# Altium PCB CNEPuckRevG.PcbDoc (part 1 of 3)
Units mil, origin at the board's own origin, x right, y up, seen from the top; angles counter-clockwise.
Board outline 3831.74 x 3902.47 mil, 4 copper layers (Top Layer, Internal Plane 1, Internal Plane 2, Bottom Layer); 165 components, 118 nets, 543 pads, 169 vias.
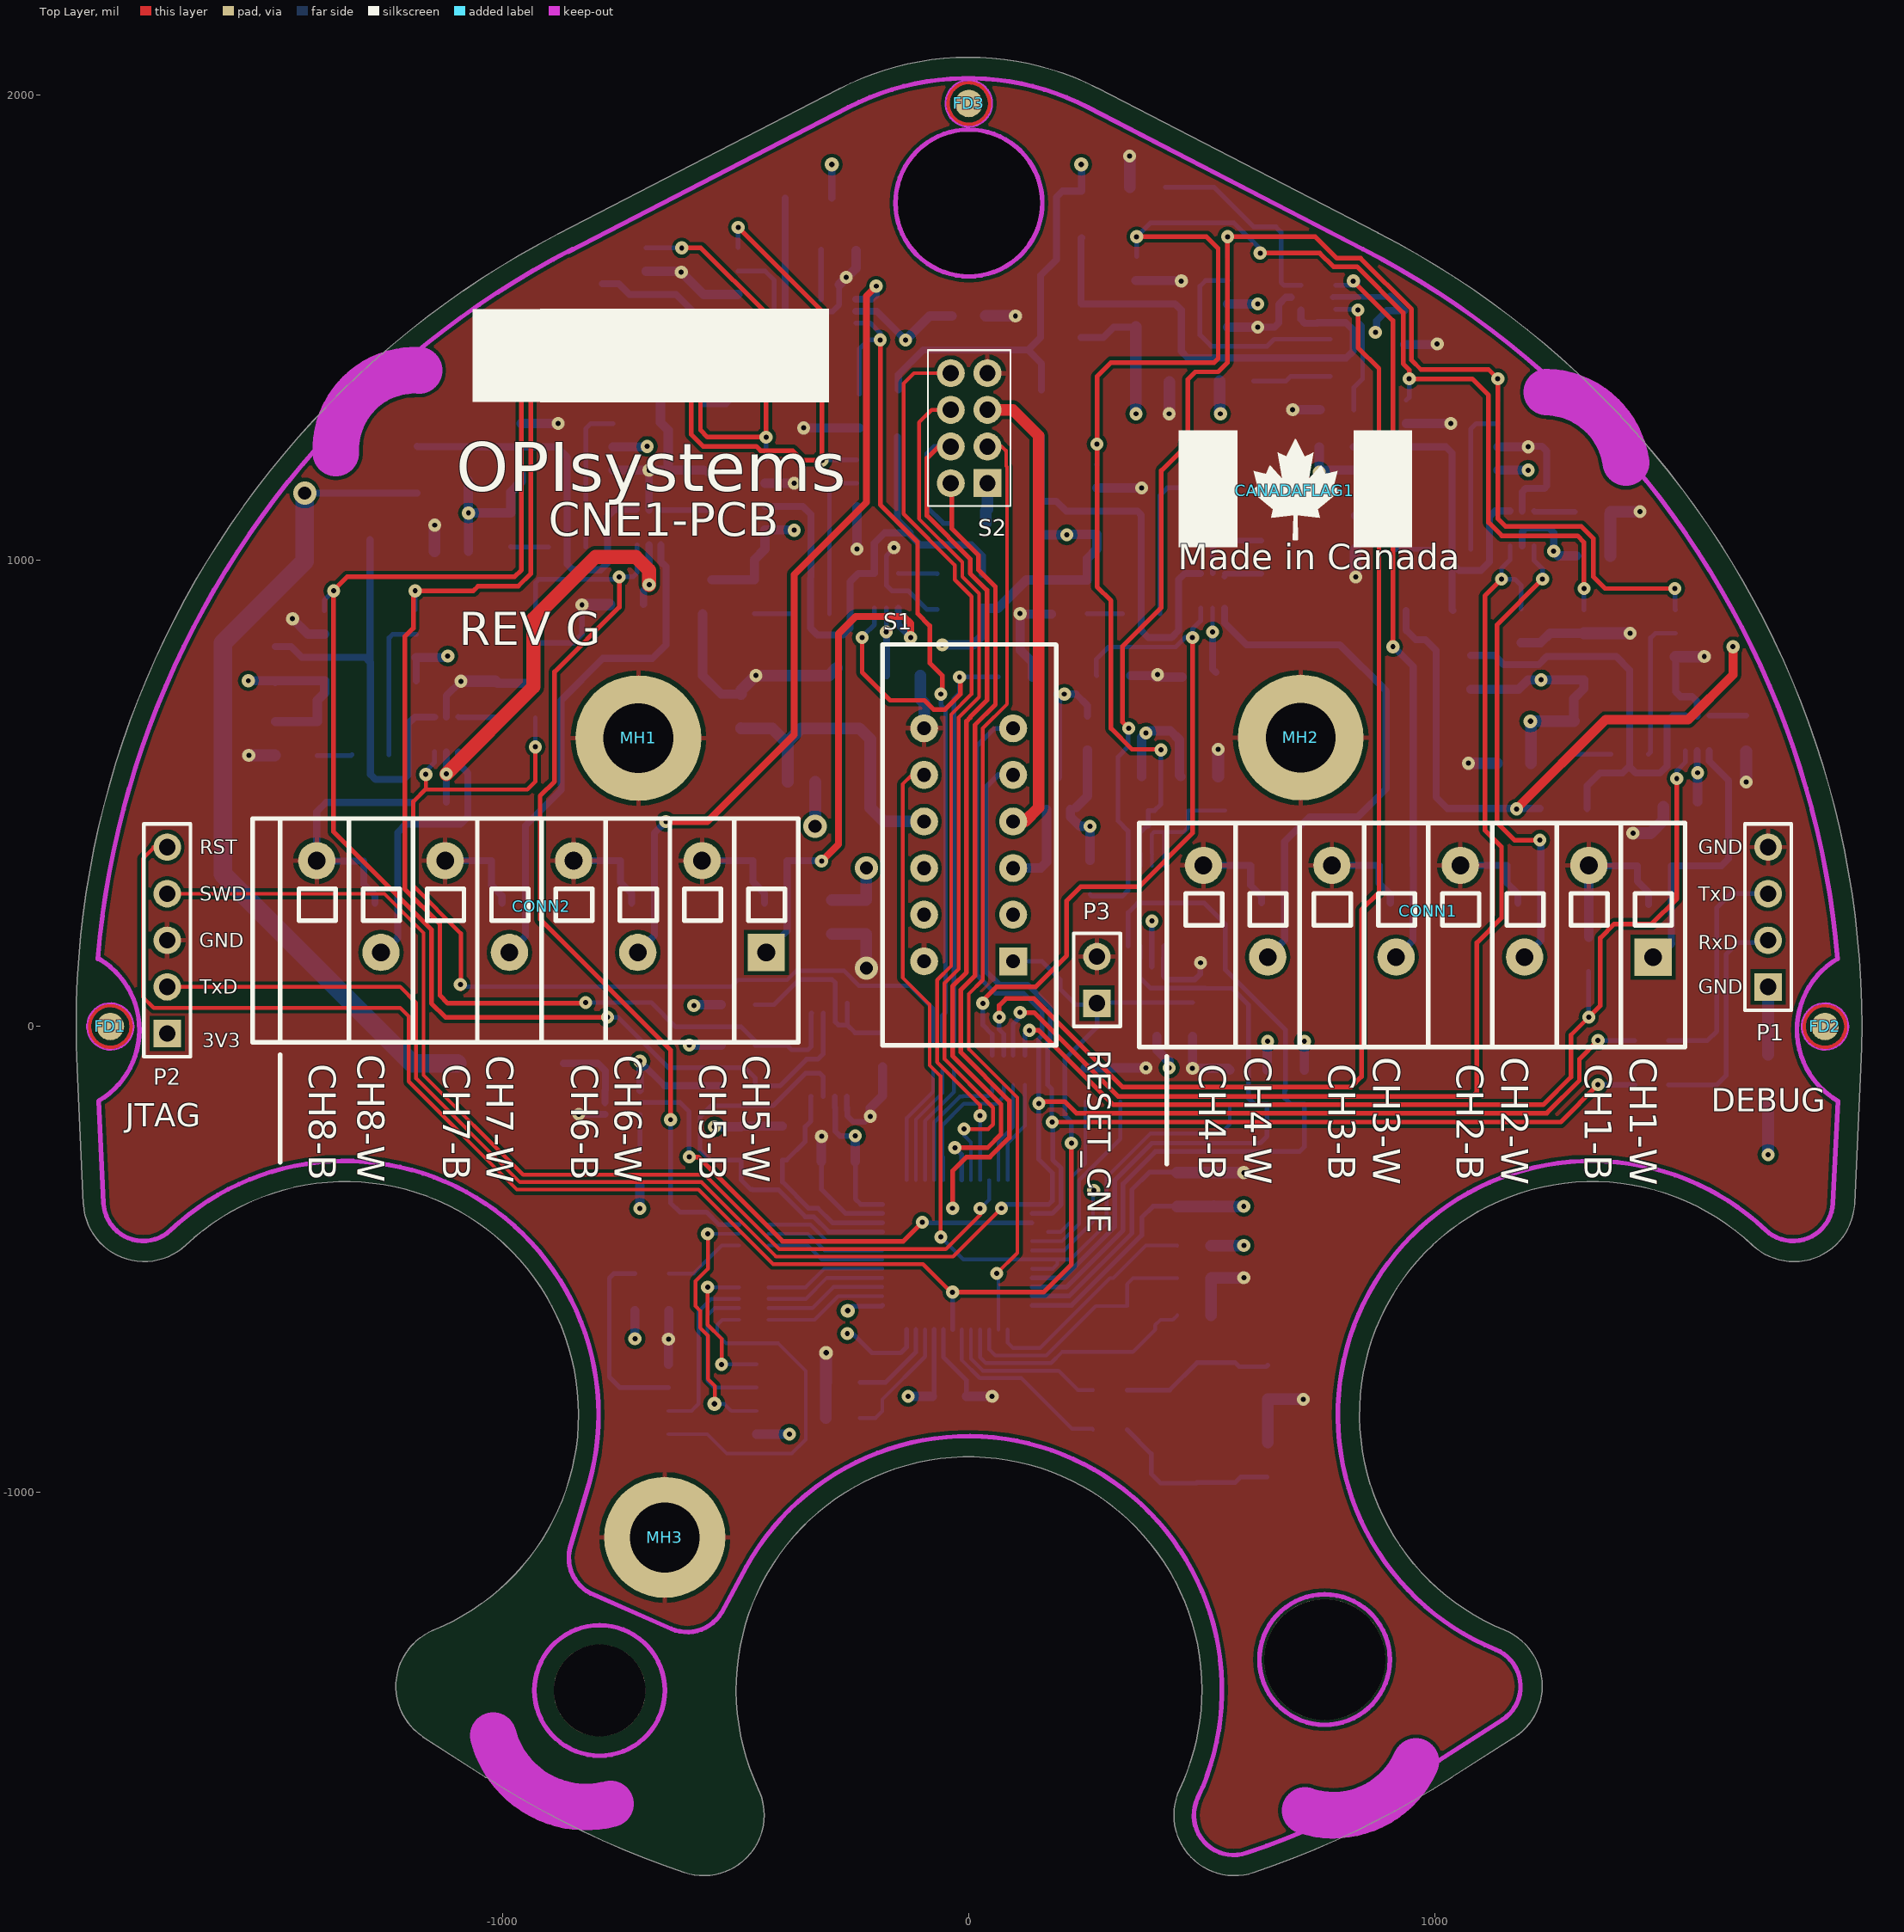
[diagram p0: Top Layer view]
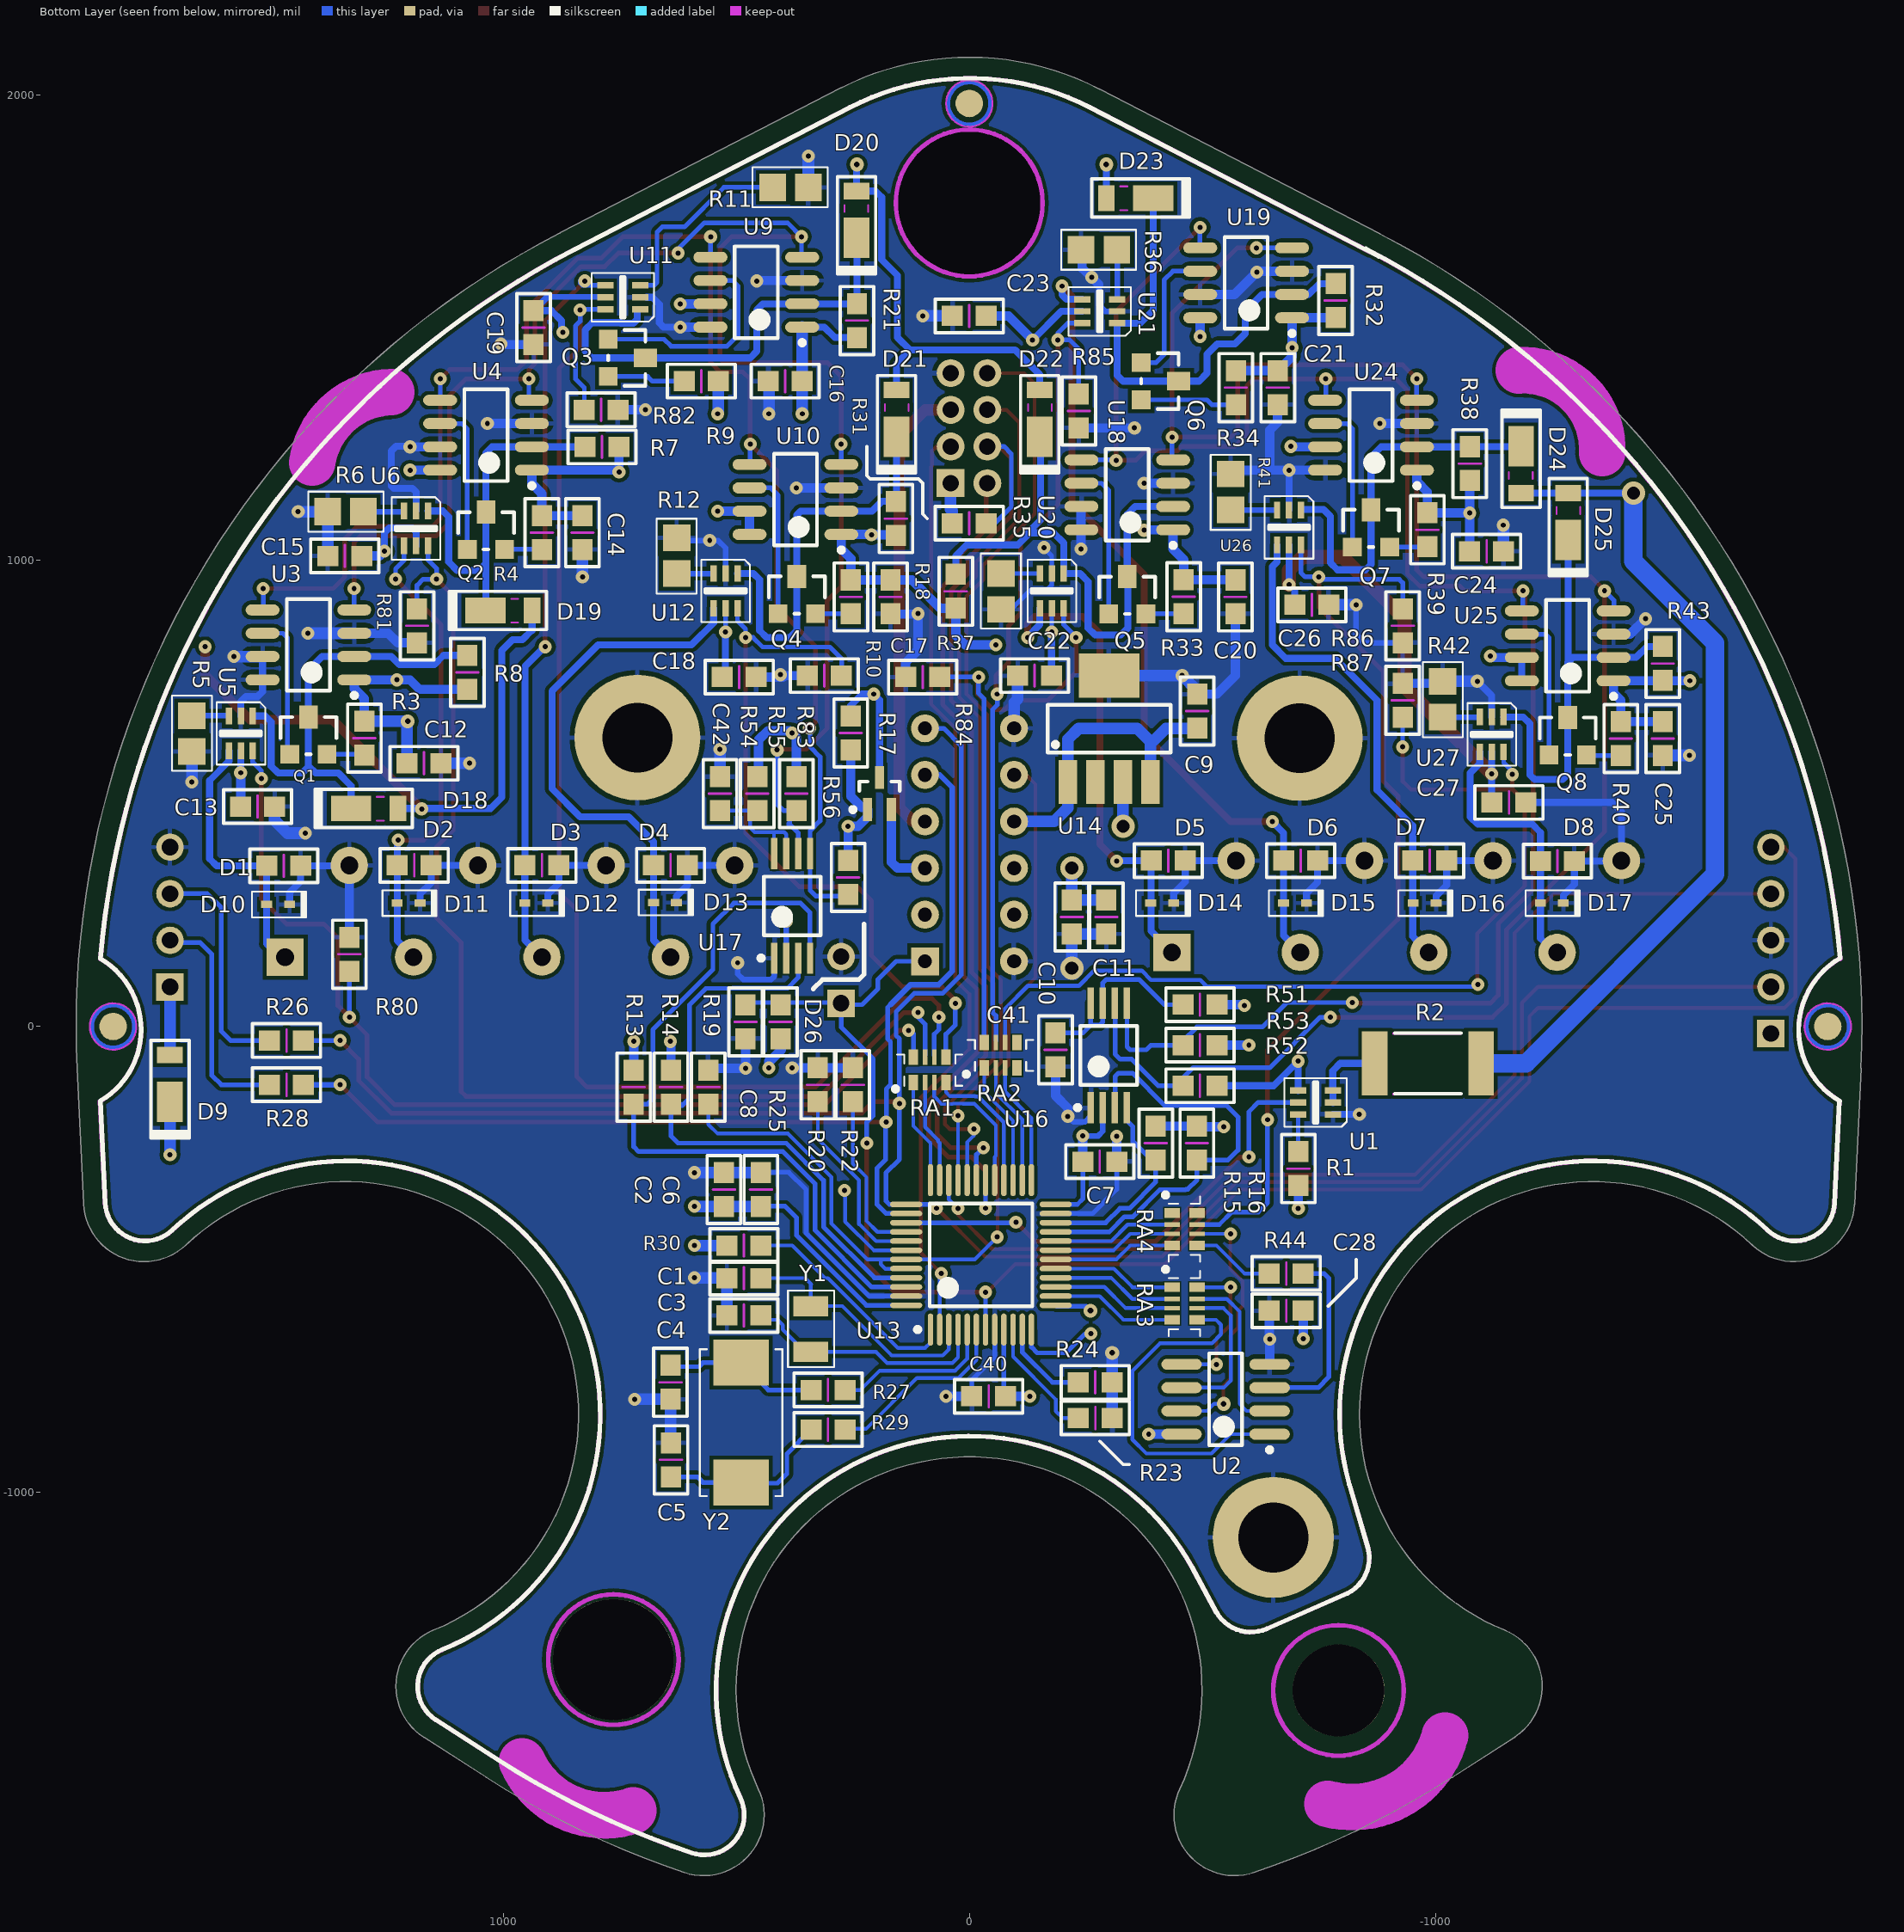
[diagram p1: Bottom Layer view, seen from below]
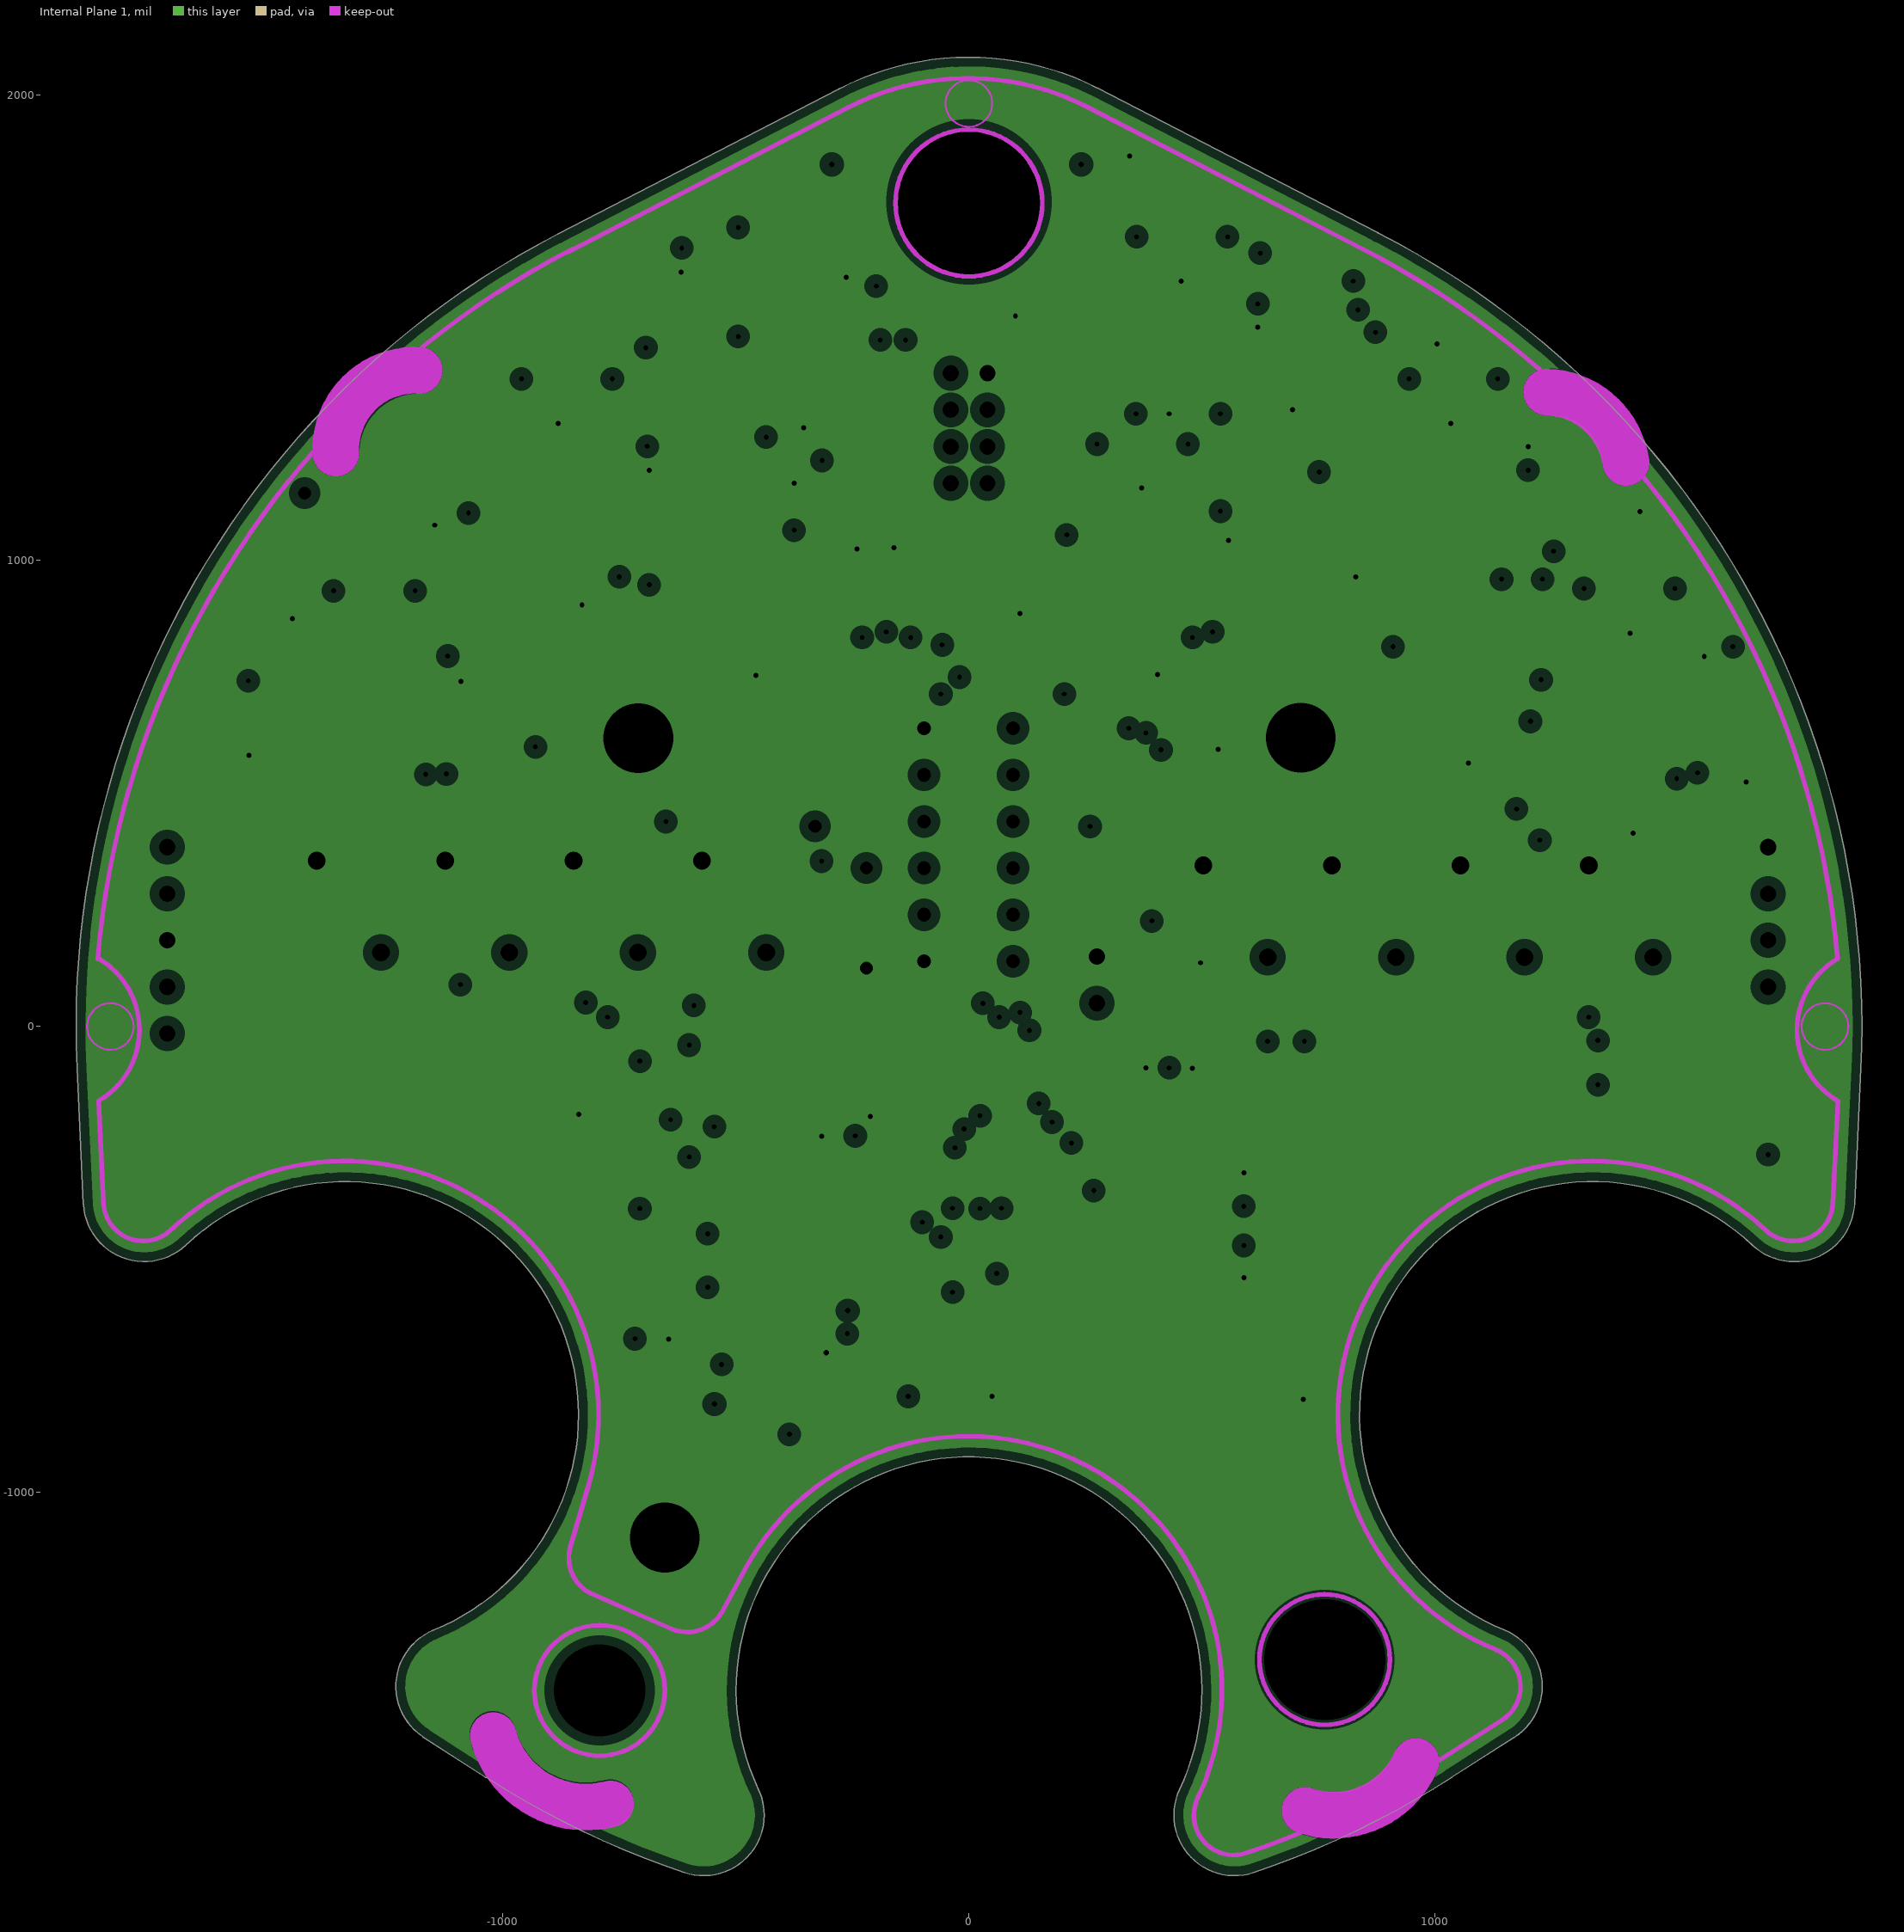
[diagram p2: Internal Plane 1, clearances drawn from the general rule]
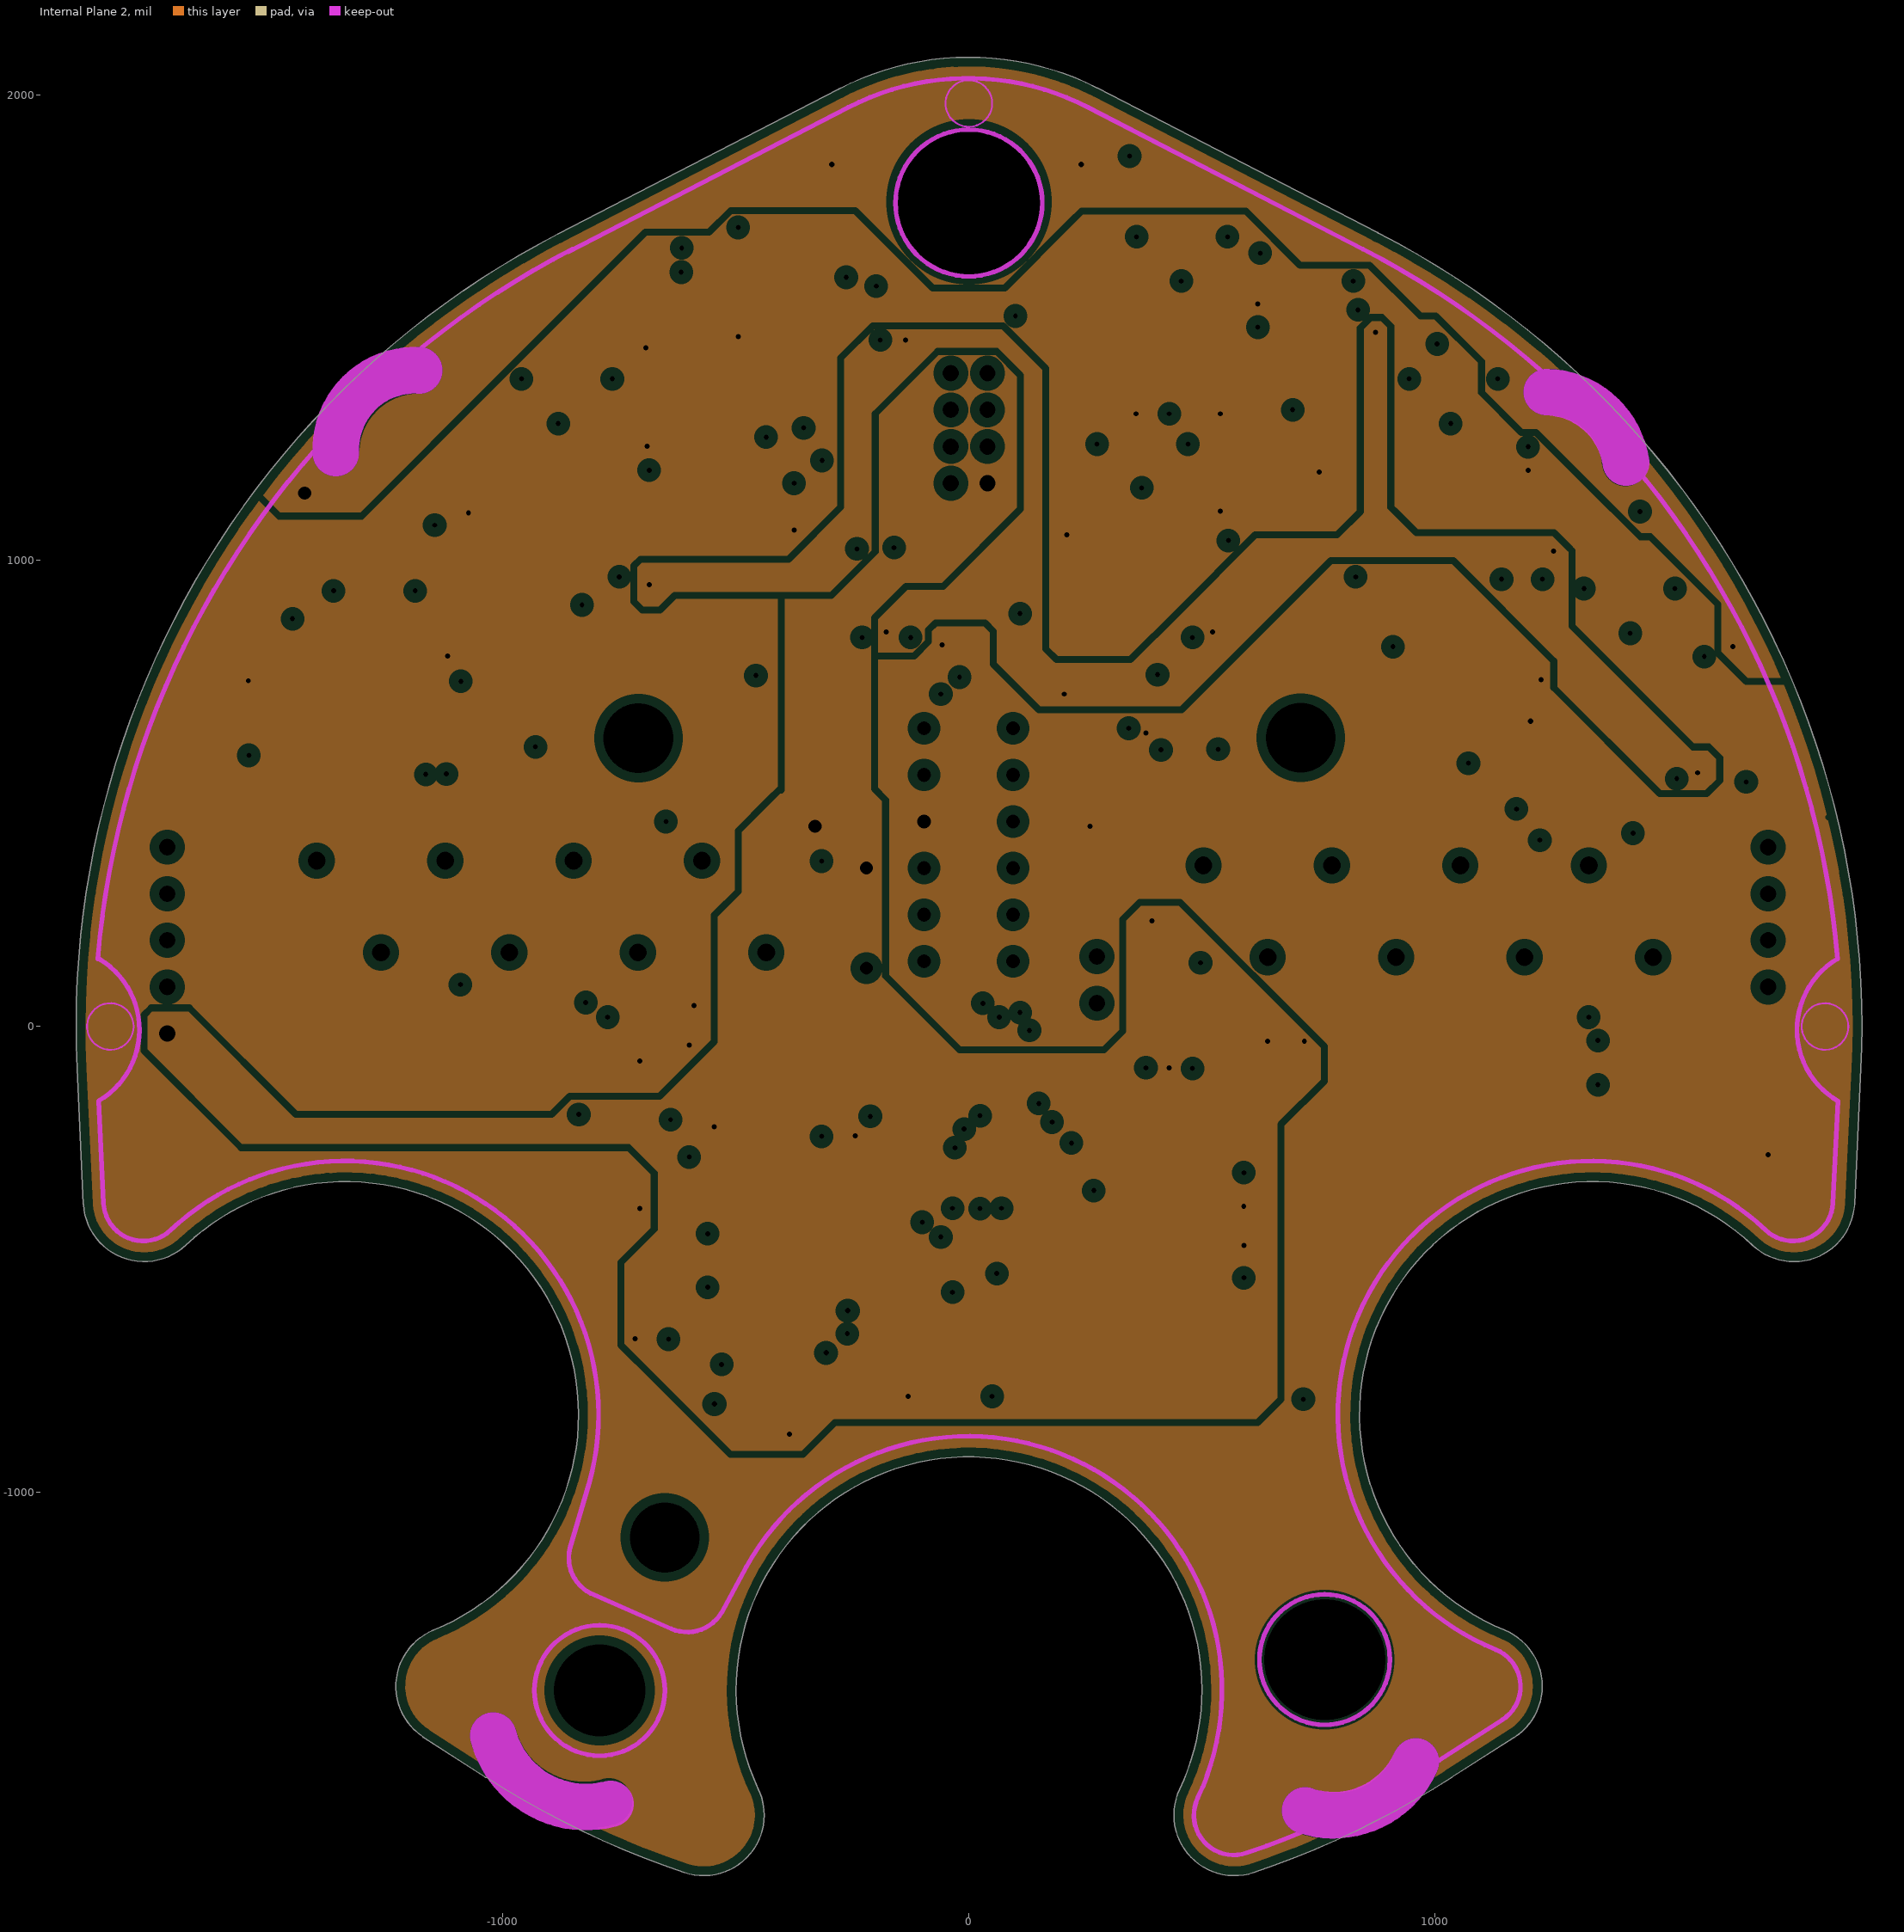
[diagram p3: Internal Plane 2, clearances drawn from the general rule]

## Layer stack, top to bottom
Top Solder: solder mask 0.4, Solder Resist, Dk 3.5
Top Layer: signal copper 1.4
Dielectric1: core 12.6, FR-4, Dk 4.8
Internal Plane 1: plane copper 1.4, net GND
Dielectric2: prepreg 12.6, FR-4, Dk 4.8
Internal Plane 2: plane copper 1.4, net (Multiple Nets)
Dielectric3: core 12.6, FR-4, Dk 4.8
Bottom Layer: signal copper 1.4
Bottom Solder: solder mask 0.4, Solder Resist, Dk 3.5

## Board outline
-1037.24,-1611.24 ccw(c-1035.89,-1609.13) -1035.13,-1611.52 ccw(c-1033.19,-1609.91) -1034.55,-1612.03 ccw(c0.48,0.2) -610.64,-1815.59 ccw(c-609.84,-1813.21) -610.58,-1815.61 ccw(c-569.13,-1692.27) -439.01,-1692.27 ccw(c-569.13,-1692.27) -451.45,-1636.75 ccw(c-453.74,-1637.78) -451.47,-1636.71 cw(c0.48,-1423.3) 500.28,-1423.3 cw(c0.48,-1423.3) 452.43,-1636.71 ccw(c454.7,-1637.78) 452.41,-1636.76 cw(c570.1,-1692.27) 452.43,-1636.71 452.41,-1636.76 ccw(c570.1,-1692.27) 611.54,-1815.61 ccw(c570.1,-1692.27) 611.6,-1815.59 ccw(c0.48,0.2) 1035.51,-1612.03 ccw(c1034.16,-1609.91) 1036.34,-1611.15 1169.37,-1525.76 ccw(c1169.15,-1523.25) 1170.5,-1525.37 ccw(c1100.21,-1415.87) 1230.33,-1415.87 ccw(c1100.21,-1415.87) 1149.41,-1295.41 ccw(c1100.21,-1415.87) 1149.36,-1295.39 1149.37,-1295.39 cw(c1338.18,-832.62) 1681.23,-469.15 ccw(c1682.96,-467.33) 1681.27,-469.19 cw(c1770.55,-374.52) 1681.23,-469.15 1681.27,-469.19 ccw(c1770.55,-374.52) 1900.53,-380.65 ccw(c1898.01,-380.53) 1900.53,-380.53 ccw(c1898.01,-380.53) 1900.5,-380.13 1914.15,-90.57 ccw(c1911.72,-89.93) 1914.23,-90.05 ccw(c0.48,0.2) 1916.36,0.2 ccw(c0.48,0.2) 879.2,1702.68 ccw(c878.04,1700.45) 877.71,1702.94 ccw(c875.35,1702.07) 876.5,1704.31 276,2014.25 ccw(c274.85,2012.02) 274.98,2014.53 ccw(c0.48,1473.57) -277.74,2012.62 ccw(c-276.59,2010.39) -278.56,2011.95 ccw(c-278.89,2009.45) -280.04,2011.69 -880.54,1701.74 ccw(c-879.38,1699.51) -881.36,1701.07 ccw(c0.48,0.2) -1913.32,-88.93 ccw(c-1911.12,-90.15) -1913.63,-90.27 -1899.93,-380.89 ccw(c-1897.42,-380.77) -1899.48,-382.21 ccw(c-1769.59,-374.52) -1680.31,-469.19 ccw(c-1769.59,-374.52) -1680.27,-469.15 cw(c-1337.22,-832.62) -1624.13,-423.38 cw(c-1337.22,-832.62) -837.42,-832.62 cw(c-1337.22,-832.62) -1148.41,-1295.39 ccw(c-1147.45,-1297.72) -1148.45,-1295.41 cw(c-1099.25,-1415.87) -1148.4,-1295.39 -1148.45,-1295.41 ccw(c-1099.25,-1415.87) -1171.09,-1524.36 ccw(c-1168.61,-1523.92) -1169.97,-1526.03